# Altium PCB XXX.PcbDoc
Units mil, origin at the board's own origin, x right, y up, seen from the top; angles counter-clockwise.
Board outline 1515 x 2205 mil, 2 copper layers (Top Layer, Bottom Layer); 52 components, 56 nets, 297 pads, 104 vias.
Unrouted connection lines stored in the file: 3.
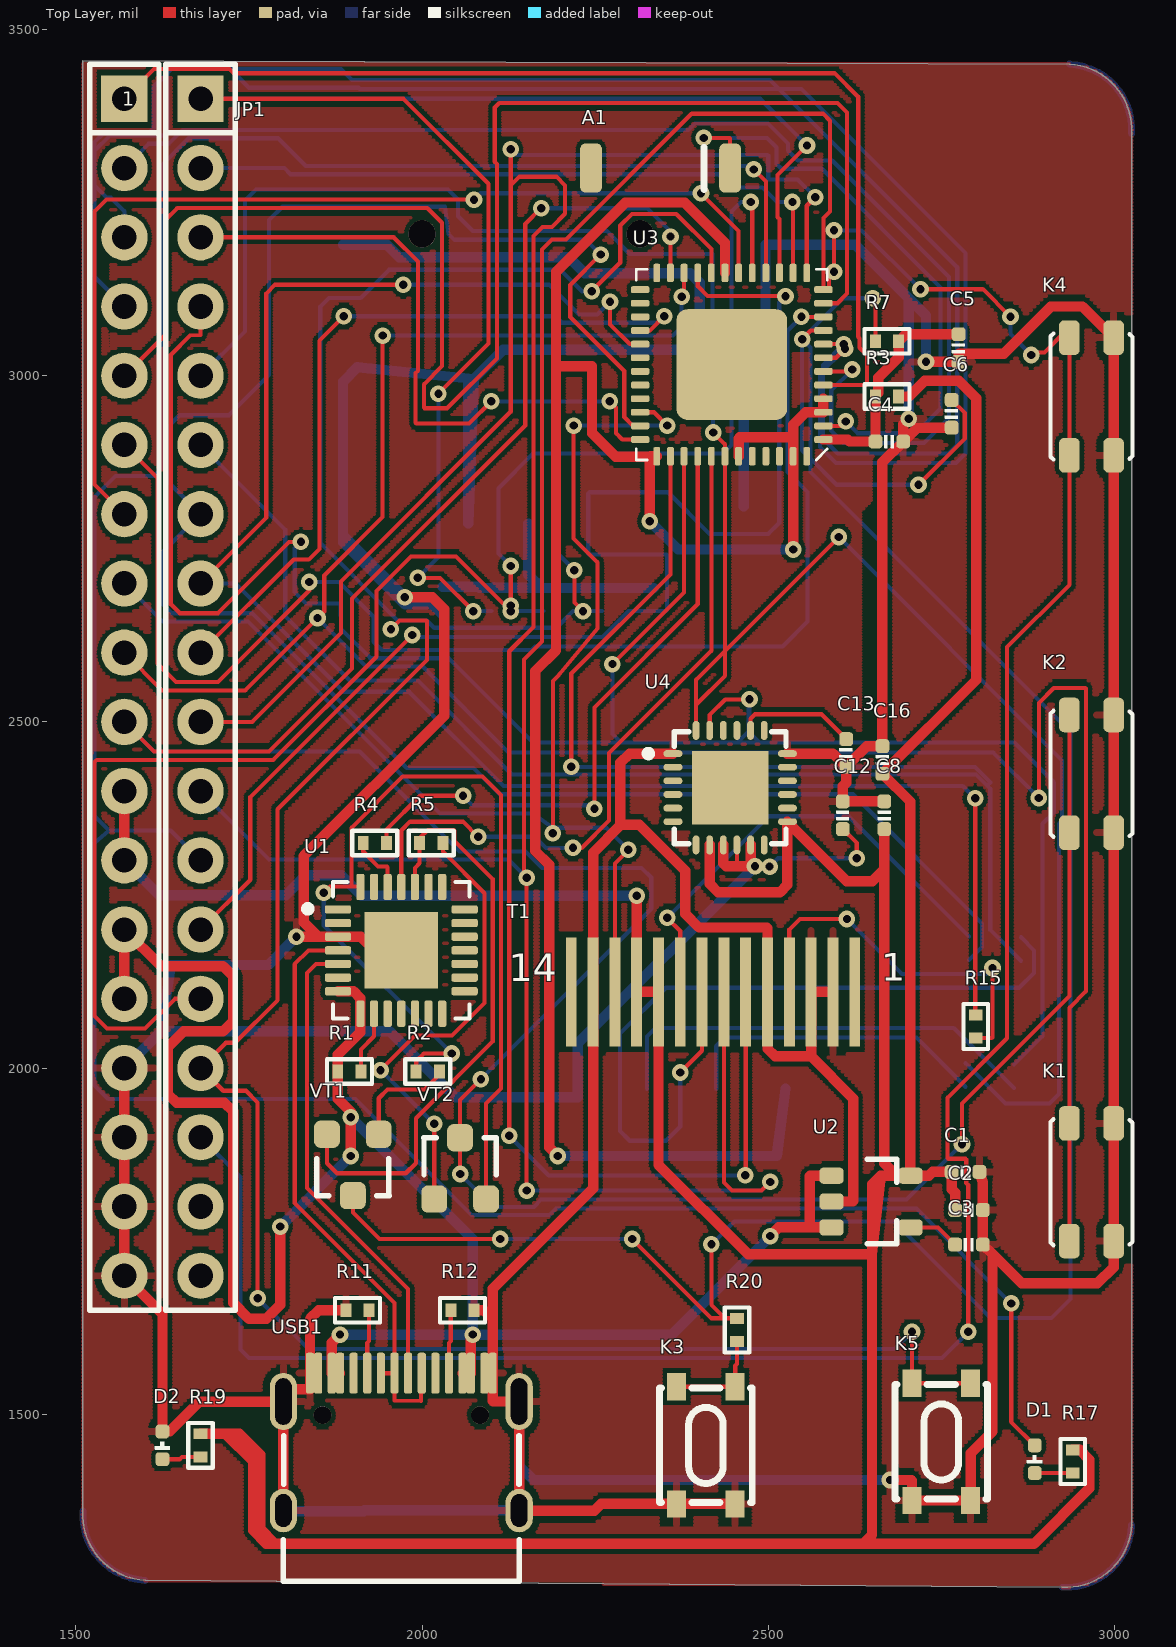
[diagram p0: Top Layer view]
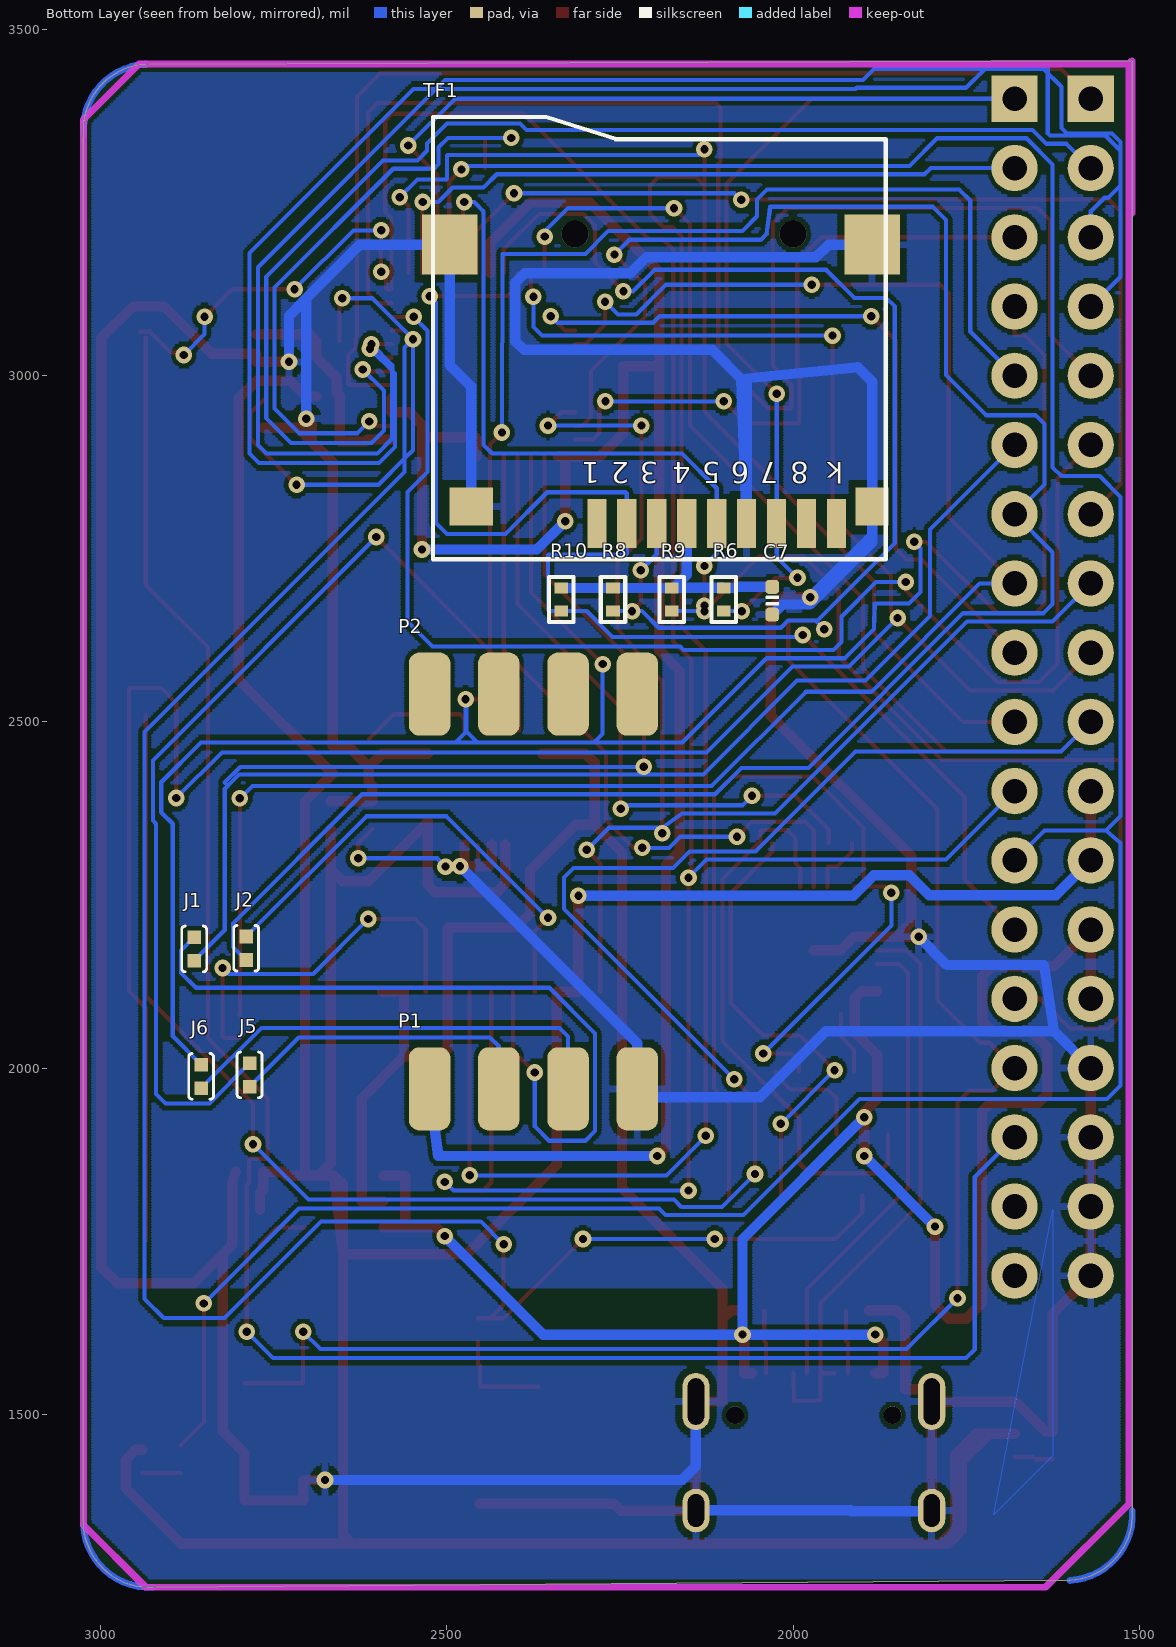
[diagram p1: Bottom Layer view, seen from below]

## Layer stack, top to bottom
Top Solder: solder mask 0.4, Solder Resist, Dk 3.5
Top Layer: signal copper 1.4
Dielectric 1: dielectric 12.6, FR-4, Dk 4.8
Bottom Layer: signal copper 1.4
Bottom Solder: solder mask 0.4, Solder Resist, Dk 3.5

## Board outline
1510,1360 ccw(c1605,1355) 1600,1260 2925,1250 ccw(c2930,1345) 3025,1340 3025,3350 ccw(c2930,3355) 2935,3450 1510,3455

## Design rules (kind name [scope] priority, off if disabled: settings)
Clearance [All] p1: gap=6 ignorepadtopadclearanceinfootprint=TRUE
PolygonConnect [All] p1: connectstyle=Relief reliefconductorwidth=10 reliefentries=4 polygonreliefangle="90 Angle" airgapwidth=10
RoutingVias [All] p1: holewidth=12 width=24 viastyle="Through Hole" minholewidth=12 minwidth=24 maxholewidth=12 maxwidth=24
SilkToSilkClearance [All] p1: silktosilkclearance=2
SolderMaskExpansion [All] p1: expansion=2.58 istentingtop=FALSE
Width PWR [InNetClass('PWR')] p1: maxlimit=20 minlimit=10 preferedwidth=15
Width ALL [All] p2: maxlimit=6 minlimit=6 preferedwidth=6
29 further rules are at their usual default settings.

## Classes and differential pairs
net class GND: GND

## Components (designator, comment, footprint, x,y, rotation, side; value= is the part's Value field where it differs from the comment)
1 "HDR-1X18" HDR2.54-LI-18P 1570,2550 r270 top
A1 "RAINSUN" ANT-Rainsun-AN5120 2345,3300 r180 top
C1 "0.1uF" CAP_0402 2785,1850 r180 top value=0.1u
C2 "10uF" CAP_0402 2790,1795 r180 top value=0.1u
C3 "10nF" CAP_0402 2790,1745 r180 top value=0.1u
C4 "10nF" CAP_0402 2675,2905 r180 top value=0.1u
C5 "0.1uF" CAP_0402 2775,3040 r90 top value=0.1u
C6 "0.1uF" CAP_0402 2765,2945 r90 top value=0.1u
C7 "100nf" CAP_0402 2030,2675 r90 bottom
C8 "10nF" CAP_0402 2667.68,2365.16 r90 top value=0.1u
C12 "0.1uF" CAP_0402 2607.68,2365.16 r90 top value=0.1u
C13 "2.2nF" CAP_0402 2612.68,2455.16 r90 top value=0.1u
C16 "0.1uF" CAP_0402 2665,2445 r270 top value=0.1u
D1 "color?" LED_0402_RED 2885,1435 r90 top
D2 "color?" LED_0402_RED 1625,1455 r90 top
J1 "跳线" 0402-0R 2865,2172 r270 bottom
J2 "跳线" 0402-0R 2790,2173 r270 bottom
J5 "跳线" 0402-0R 2785,1990 r90 bottom
J6 "跳线" 0402-0R 2855,1988 r90 bottom
JP1 "HDR-1X18" HDR2.54-LI-18P 1680,2550 r270 top
K1 "TACT 4P" ButtonTACT_3.5*3.55_90 2967,1835 r270 top value=3.4x3.5
K2 "TACT 4P" ButtonTACT_3.5*3.55_90 2967,2425 r270 top value=3.4x3.5
K3 "TACT 4P" "SW-SMD_4P-L4.2-W3.3-P2.15-LS5.1 - duplicate" 2410,1455 r90 top value=3.4x3.5
K4 "TACT 4P" ButtonTACT_3.5*3.55_90 2967,2970 r270 top value=3.4x3.5
K5 "TACT 4P" "SW-SMD_4P-L4.2-W3.3-P2.15-LS5.1 - duplicate" 2750,1460 r90 top value=3.4x3.5
P1 "MHDR1X4" 金手指4 1675,1970 r180 bottom
P2 "MHDR1X4" 金手指4 1675,2540 r180 bottom
R1 "10K" R0402_L 1895,1995 r180 top value=22R
R2 "12K" R0402_L 2008.27,1995 r180 top value=22R
R3 "0R" R0402_L 2671.73,2970 r0 top value=22R
R4 "200R" R0402_L 1931.73,2325 r0 top value=22R
R5 "12K" R0402_L 2013.27,2325 r180 top value=22R
R6 "10K" R0402_L 2100,2676.73 r90 bottom
R7 "10K" R0402_L 2671.73,3050 r0 top value=22R
R8 "10K" R0402_L 2260,2676.73 r90 bottom
R9 "10K" R0402_L 2175,2676.73 r90 bottom
R10 "10K" R0402_L 2335,2676.73 r90 bottom
R11 "5.1K" R0402_L 1906.73,1650 r180 top value=22R
R12 "5.1K" R0402_L 2058.27,1650 r0 top value=22R
R15 "10R" R0402_L 2800,2060 r90 top
R17 "1K" R0402_L 2940,1431.73 r270 top value=22R
R19 "1K" R0402_L 1680,1455 r270 top value=22R
R20 "1K" R0402_L 2455,1621.73 r90 top value=22R
T1 "TFT177PF254" TFT144PF254 1839.53,1768.8 r0 top
TF1 "TF_Card" "Micro SD" 2157.48,3205 r0 bottom
U1 "CP2102" QFN-28 1970,2170 r0 top value=Value
U2 "LP2992 3V3" SOT23-5 2650.56,1807.16 r0 top
U3 "ESP32_SIP" QFN-48_7X7 2447.38,3016.1 r180 top
U4 "MPU6050" QFN-24 2445,2405 r0 top
USB1 "Type-C" Type-C-TOP 1970,1460 r270 top
VT1 "S8050" SMT_TRIODE_NPN 1900,1860 r180 top
VT2 "S8050" SMT_TRIODE_NPN 2055,1855 r0 top

## Footprints (in the part's own frame and the unit in brackets; to place one, negate y for a bottom-side part, rotate by r counter-clockwise, add the part's x,y. Pads: shape width x height; smd on the part's side, far side on the other; paste and mask are expansions set on the pad)
0402-0R [mm]
  rect 0.5x0.5 smd: 1(-0.432,0) 2(0.432,0)
  silkscreen extent -0.84,-0.46 0.84,0.46
ANT-Rainsun-AN5120 [mm]
  rrect50% 0.8x1.8 smd: 1(-2.54,0) ""(2.563,0)
  silkscreen extent -1.57,-0.76 -1.57,0.79, body extent -2.57,-0.91 2.54,0.94, height 1.32
ButtonTACT_3.5*3.55_90 [mil]
  rrect50% 50x30 smd: 1(-85,32) 2(-85,-32) 3(85,32) 4(85,-32)
  silkscreen extent -91,-59 91,59, body extent -90,-55 91,85, height 56
CAP_0402 [mil]
  rrect50% 20x20 smd: 1(-20,0) 2(20,0)
  silkscreen extent -7,-9 7,9, body extent -20,-10 20,10, height 20
HDR2.54-LI-18P [mm] "排针，18脚"
  rect 1.7x1.7 hole 0.9: 1(-21.59,0)
  round 1.7 hole 0.9: 2(-19.05,0) 3(-16.51,0) 4(-13.97,0) 5(-11.43,0) 6(-8.89,0) 7(-6.35,0) 8(-3.81,0) 9(-1.27,0) 10(1.27,0) 11(3.81,0) 12(6.35,0) 13(8.89,0) 14(11.43,0) 15(13.97,0) 16(16.51,0) 17(19.05,0) 18(21.59,0)
  silkscreen extent -22.86,-1.27 22.86,1.27, body extent -22.86,-1.27 22.86,1.27, height 2.54
LED_0402_RED [mil]
  rrect50% 20x20 smd: 1(-20,0) 2(20,0)
  silkscreen extent -6,-10 6,10, body extent -20,-10 20,10, height 18
"Micro SD" [mm] "淘宝ID:黄晶宝石"
  round 1 hole 1 unplated: 0(-4,0) 0(4,0)
  rect 0.7x1.8 smd: 1(3.2,10.627) 2(2.1,10.627) 3(1,10.627) 4(-0.1,10.627) 5(-1.2,10.627) 6(-2.3,10.627) 7(-3.4,10.627) 8(-4.5,10.627) 9(-5.6,10.627)
  rect 2.032x2.2 smd: 10(-6.9,0.4) 10(8.6,0.4)
  rect 1.2x1.4 smd: 10(-6.9,10)
  rect 1.6x1.4 smd: 10(7.8,10)
  silkscreen extent -7.4,-4.28 9.2,11.94, body extent -7.05,-3.87 8.95,11.38, height 2
QFN-24 [mm]
  oval 0.7x0.25 smd: 1(-2.1,1.25) 2(-2.1,0.75) 3(-2.1,0.25) 4(-2.1,-0.25) 5(-2.1,-0.75) 6(-2.1,-1.25) 13(2.1,-1.25) 14(2.1,-0.75) 15(2.1,-0.25) 16(2.1,0.25) 17(2.1,0.75) 18(2.1,1.25)
  oval 0.25x0.7 smd: 7(-1.25,-2.1) 8(-0.75,-2.1) 9(-0.25,-2.1) 10(0.25,-2.1) 11(0.75,-2.1) 12(1.25,-2.1) 19(1.25,2.1) 20(0.75,2.1) 21(0.25,2.1) 22(-0.25,2.1) 23(-0.75,2.1) 24(-1.25,2.1)
  rect 2.8x2.7 smd: ""(0,0)
  silkscreen extent -3.12,-2.05 2.05,2.05, body extent -2.02,-2.02 2.02,2.02, height 0.95
QFN-28 [mil]
  rrect50% 38x12 smd mask+5: 1(-91.5,59.06) 2(-91.5,39.37) 3(-91.5,19.69) 4(-91.5,0) 5(-91.5,-19.68) 6(-91.5,-39.37) 7(-91.5,-59.06) 15(91.5,-59.06) 16(91.5,-39.37) 17(91.5,-19.68) 18(91.5,0) 19(91.5,19.69) 20(91.5,39.37) 21(91.5,59.06)
  rrect50% 12x38 smd mask+5: 8(-59.06,-91.5) 9(-39.37,-91.5) 10(-19.68,-91.5) 11(0,-91.5) 12(19.69,-91.5) 13(39.37,-91.5) 14(59.06,-91.5) 22(59.06,91.5) 23(39.37,91.5) 24(19.69,91.5) 25(0,91.5) 26(-19.68,91.5) 27(-39.37,91.5) 28(-59.06,91.5)
  rect 106.3x110.24 smd: 29(0,0)
  silkscreen extent -140,-98 98,98, body extent -98,-98 98,98, height 35
QFN-48_7X7 [mm]
  rrect50% 0.675x0.25 smd: 1(-3.363,2.75) 2(-3.363,2.25) 3(-3.363,1.75) 4(-3.363,1.25) 5(-3.363,0.75) 6(-3.363,0.25) 7(-3.363,-0.25) 8(-3.363,-0.75) 9(-3.363,-1.25) 10(-3.363,-1.75) 11(-3.363,-2.25) 12(-3.363,-2.75) 25(3.363,-2.75) 26(3.363,-2.25) 27(3.363,-1.75) 28(3.363,-1.25) 29(3.363,-0.75) 30(3.363,-0.25) 31(3.363,0.25) 32(3.363,0.75) 33(3.363,1.25) 34(3.363,1.75) 35(3.363,2.25) 36(3.363,2.75)
  rrect50% 0.25x0.675 smd: 13(-2.75,-3.362) 14(-2.25,-3.362) 15(-1.75,-3.362) 16(-1.25,-3.362) 17(-0.75,-3.362) 18(-0.25,-3.362) 19(0.25,-3.362) 20(0.75,-3.362) 21(1.25,-3.362) 22(1.75,-3.362) 23(2.25,-3.362) 24(2.75,-3.362) 37(2.75,3.363) 38(2.25,3.363) 39(1.75,3.363) 40(1.25,3.363) 41(0.75,3.363) 42(0.25,3.363) 43(-0.25,3.363) 44(-0.75,3.363) 45(-1.25,3.363) 46(-1.75,3.363) 47(-2.25,3.363) 48(-2.75,3.363)
  rrect20% 4.064x4.064 smd: 49(0,0)
  silkscreen extent -3.5,-3.5 3.5,3.5, body extent -3.5,-3.5 3.5,3.5, height 1
R0402_L [mm] "1/16W贴片电阻"
  rect 0.4x0.5 smd: 1(-0.425,0) 2(0.425,0)
  silkscreen extent -0.82,-0.45 0.83,0.45, body extent -0.5,-0.25 0.5,0.25, height 0.3
SMT_TRIODE_NPN [mm]
  rrect50% 0.95x1 smd: 1(-0.95,-1.125) 2(0.95,-1.125) 3(0,1.125)
  silkscreen extent -1.33,-0.22 1.33,1.13, body extent -1.45,-1.4 1.45,1.4, height 1.3
SOT23-5 [mm]
  rrect50% 0.889x0.6 smd: 1(-1.5,0.95) 2(-1.5,0) 3(-1.5,-0.95) 4(1.396,-0.95) 5(1.396,0.95)
  silkscreen extent -0.2,-1.55 0.9,1.55, body extent -1.48,-1.45 1.32,1.45, height 1.2
"SW-SMD_4P-L4.2-W3.3-P2.15-LS5.1 - duplicate" [mm]
  rect 1x0.7 smd: 1(-2.15,1.075) 2(2.15,1.075) 3(-2.15,-1.075) 4(2.15,-1.075)
  silkscreen extent -2.1,-1.7 2.1,1.7
TFT144PF254 [mm]
  rect 0.4x4 smd: 1(19.95,8.666) 2(19.15,8.666) 3(18.35,8.666) 4(17.55,8.666) 5(16.75,8.666) 6(15.95,8.666) 7(15.15,8.666) 8(14.35,8.666) 9(13.55,8.666) 10(12.75,8.666) 11(11.95,8.666) 12(11.15,8.666) 13(10.35,8.666) 14(9.55,8.666)
Type-C-TOP [mm]
  round 0.65 hole 0.65: 0(-0.98,2.89) 0(-0.98,-2.89)
  oval 1.6x1 hole 0.6 slot 1.2 at 0 deg: 1(2.52,4.325) 2(2.52,-4.325)
  oval 2.1x1 hole 0.6 slot 1.7 at 0 deg: 3(-1.48,-4.325) 4(-1.48,4.325)
  rrect50% 1.5x0.3 smd: A1(-2.52,-3.35) A4(-2.52,-2.55) A5(-2.52,-1.25) A6(-2.52,-0.25) A7(-2.52,0.25) A8(-2.52,1.25) A9(-2.52,2.55) A12(-2.52,3.35) B1(-2.52,3.05) B4(-2.52,2.25) B5(-2.52,1.75) B6(-2.52,0.75) B7(-2.52,-0.75) B8(-2.52,-1.75) B9(-2.52,-2.25) B12(-2.52,-3.05)
  silkscreen extent -0.22,-4.33 5.12,4.33, body extent -2.57,-4.48 5.18,4.48, height 3.26
金手指4 [mil] "金手指，4脚"
  rrect50% 60x120 smd: 1(-850,0) 2(-750,0) 3(-650,0) 4(-550,0)
  body extent -900,-50 -500,50, height 100

## Part data
1 JP1: library part "Header 18", "18P接插件", BOM名称=18P接插件, 封装库来自淘宝卖家 ID：黄晶宝石=其他店铺购入均为盗版假冒封装库, 联系卖家，免费查找封装=唯一出售店铺网址https://shop463601444.taobao.com
A1: library part ANT-Rainsun-AP5120
C1 C2 C3 C8 C12 C13 C16: library part 电容-0402, "Capacitor"
C4: library part 电容-0402_2, "Capacitor"
C5 C6: library part 电容-0402_1, "Capacitor"
C7: library part C, "Capacitor", BOM名称=无极性贴片电容, 封装库来自淘宝卖家ID：黄晶宝石=其他店铺购入均为盗版假冒封装库，请立即申请退款, 联系卖家，免费查找封装=唯一出售店铺网址https://shop463601444.taobao.com
D1 D2: library part LED_0402, "LED", Type=0402
J1 J2 J5 J6: "Resistor", LatestRevisionDate=17-Jul-2002, LatestRevisionNote="Re-released for DXP Platform.", PackageDescription="Axial Device, Thru-Hole; 2 Leads; 0.4 in Pin Spacing", PackageReference=AXIAL-0.4, Published=8-Jun-2000, Publisher="Altium Limited"
K1 K2 K3 K4 K5: library part ButtonTACT, "Button", Type="TACT 4P"
P1 P2: "Header, 4-Pin", LatestRevisionDate=17-Jul-2002, LatestRevisionNote="Re-released for DXP Platform.", Publisher="Altium Limited"
R1 R7: library part 电阻-0402_1, "Resistor"
R2 R5 R17 R19 R20: library part 电阻-0402, "Resistor"
R3: library part 电阻-0402_3, "Resistor"
R4: library part 电阻-0402_2, "Resistor"
R6 R8 R9 R10: library part R, "贴片电阻", BOM名称=贴片电阻, 封装库来自淘宝卖家ID：黄晶宝石=其他店铺购入均为盗版假冒封装库，请立即申请退款, 联系卖家，免费查找封装=唯一出售店铺网址https://shop463601444.taobao.com
R11 R12: library part 电阻-0402_7, "Resistor"
R15: library part 电阻-0402_9, "Resistor"
TF1: "TF卡座", BOM名称=TF卡座, 联系卖家，免费技术支持=唯一出售店铺网址https://shop463601444.taobao.com
U1: "USB转TTL", MFG #1="SILICON LABS", PART DESC="SINGLE-CHIP USB TO UART BRIDGE, QFN28, RoHS.", PART NUMBER=CP2102, RefDes=RefDes, Type=DEV
U2: library part LP2992, "LDO"
U3: library part ESP32-PICO
U4: "六轴传感器"
USB1: library part USB-Type-C-TOP
VT1 VT2: library part SMT_TRIODE_NPN, "Surface mount NPN transistor, package SOT-23"

## Via types
v1: diameter 24, hole 12, Top Layer to Bottom Layer, tented both sides, 104 vias

## Nets (pads, with @x,y where several pads share a name; then routed paths per layer and width w, separated by ;. In a path a pad name is that pad's centre, name@x,y a point inside that pad or via, vN(x,y) a via of type N, cw(c..) or ccw(c..) an arc to the next point about the centre after c; other vN are vias at no path point)
3V3: C7.2 R6.2 R8.2 R9.2 R10.2 TF1.4 | length 407.4
  Bottom Layer w15: C7.2 2081.93,2695 2083.47,2693.47 R6.2 2102.5,2693.47 2103.34,2694.31 2104.15,2693.5 R9.2@2166,2693.5 ; TF1.4 2153.54,2712.5 R9.2@2172.58,2693.47 ; R9.2@2166,2693.47 R9.2@2172.58,2693.47 ; R10.2 R8.2 R9.2 R9.2@2172.58,2693.47
3V3A: C4.2 C5.2 P1.1 R3.1 R7.2 U3.1 U3.3 U3.4 U3.19 U3.37 U3.43 U3.47 | length 3336.4
  Top Layer w15: v1(2196,1873) 2183.5,1885.5 2183.5,2293.5 2163.5,2313.5 2163.5,2573.5 2193.5,2603.5 2193.5,3013.66 ; v1(2329,2790) 2329,2882.72 ; U3.19 2437.54,3191.96 2379.31,3250.19 2293.69,3250.19 2193.5,3150 2193.5,3013.66 ; U3.43 2457.22,2909.22 2459,2911 2534.96,2911 2535.96,2910 ; v1(2535.96,2749) U3.47 2535.96,2910 ; U3.1 2615,2907.83 2617.83,2905 C4.2 R3.1 2655,2971.5 2659,2975.5 2659,2997 2688.47,3026.47 R7.2 2698.47,3060 C5.2 ; U3.4 U3.3 2554,2947.2 2535.96,2929.17 2535.96,2910 ; 2193.5,3013.66 2245.5,3013.66 2245.5,2917.02 2279.52,2883 2329,2882.72 ; 2329,2882.72 U3.37 2330,2883.72 2329,2882.72
  Bottom Layer w15: v1(2196,1873) 2512.5,1873 P1.1 ; v1(2329,2790) 2370,2749 v1(2535.96,2749)
CP_Rx: U1.25 U3.41 | length 1006.4
  Top Layer w6: U1.25 1970,2343 1982.84,2355.84 2059.16,2355.84 v1(2081,2334) ; v1(2218,2318) 2230.66,2318 2270,2357.34 2270,2455 2417.85,2602.85 U3.41
  Bottom Layer w6: v1(2081,2334) 2162.98,2334 2178.98,2318 v1(2218,2318)
CP_Tx: R4.2 U3.40 | length 918.9
  Top Layer w6: R4.2 1948.47,2344.33 1997.39,2393.25 v1(2059.25,2393.25) ; v1(2249,2374.5) 2249,2521 2398.17,2670.17 U3.40
  Bottom Layer w6: v1(2059.25,2393.25) 2073,2379.5 2244,2379.5 v1(2249,2374.5)
DTR: R2.2 U1.28 VT2.2 | length 1372.6
  Top Layer w6: v1(1858,2253) 1867,2262 1899,2262 ; U1.28 1910.94,2262 1899,2262 ; R2.2 1991.53,2010 2002.53,2021 v1(2043,2021) ; VT2.2 2092.4,1949 2114,1970.6 2114,2394.5 2087.5,2421 1972,2421 1898,2347 1898,2263 1899,2262
  Bottom Layer w6: v1(1858,2253) 1858,2206 v1(2043,2021)
EN: C6.2 R7.1 R20.2 U3.9 VT1.3 | length 3639
  Top Layer w6: VT1.3 1900,1791.5 1938.5,1753 v1(2113,1753) ; v1(2303.47,1753) 2418,1638.47 2437.5,1638.47 ; v1(2418,1745.26) 2418,1657.97 2437.5,1638.47 ; R20.2 2437.5,1638.47 ; v1(2549,3052.82) 2561.5,3065.32 U3.9 ; v1(2651,3112) 2655,3108 R7.1 ; v1(2717.11,2842.5) 2784,2909.39 2784,2946 C6.2
  Bottom Layer w6: v1(2113,1753) v1(2303.47,1753) ; v1(2418,1745.26) 2451,1778.26 2681.74,1778.26 2821,1639 2909,1639 2936.57,1666.57 2936.57,2485.43 2561,2861 2561,2880.38 ; v1(2651,3112) 2608.18,3112 v1(2549,3052.82) ; v1(2717.11,2842.5) 2598.88,2842.5 2561,2880.38 ; v1(2549,3052.82) 2561,3040.82 2561,2880.38 ; v1(2549,3052.82) 2549,2892.38 2561,2880.38
GND: 1.15 1.16 1.17 1.18 C1.1 C2.1 C3.1 C4.1 C5.1 C6.1 C7.1 C8.2 C12.2 C13.1 C16.1 D2.2 K1.1 K1.3 K2.1 K2.3 K3.1 K3.3 K4.1 K4.3 K5.1 K5.3 P1.4 R11.2 R12.2 T1.2 T1.3 T1.5 T1.13 TF1.6 TF1.10 U1.3 U1.29 U2.2 U4.1 U4.9 U4.11 U4.18 USB1.1 USB1.2 USB1.3 USB1.4 USB1.A1 USB1.A12 USB1.B1 USB1.B12 | length 13399.1
  Top Layer w15: 1.15 1.16 1.17 1.18 1625,1645 D2.2 1635.5,1475 1678.5,1518 USB1.3@1799.72,1518 ; USB1.2 USB1.3@1799.72,1518 ; v1(1818.5,2189.69) 1850,2189.69 ; R11.2 1850.61,1650 1838.11,1637.5 USB1.A1 1838.11,1536 1799.72,1536 USB1.3 USB1.3@1799.72,1518 ; U1.29 1931,2170 1911.31,2189.69 U1.3 1850,2189.69 ; v1(1975,2680) 2014.5,2680 2032,2662.5 2032,2508.98 1829.31,2306.3 1829.31,2210.37 1850,2189.69 ; R12.2 2089.39,1650 2101.89,1637.5 ; U4.1 2300,2454.21 2286.5,2440.71 2286.5,2350.5 ; U4.9 2435.16,2296 2439.63,2291.53 v1(2481,2291.53) 2474.53,2298 U4.11 ; K3.3 K3.1 2258.57,1370.36 2249,1360.79 USB1.1 USB1.4 2103,1518.27 2101.89,1519.38 USB1.A12 2101.89,1637.5 ; U4.18 2593.62,2454.21 C13.1 ; U2.2 2622,1807.16 2623,1808.16 2623,1955.97 2561.97,2017 2561.97,2018 ; T1.2 T1.3 2561.97,2018 ; C8.2 C12.2 2607.68,2407 2612.68,2412 C13.1 ; v1(2676,1405) 2706.68,1405 2707.68,1404 K5.1 K5.3 2792.32,1443.32 2824,1475 2824,1731 ; v1(2703,2938) 2695,2930 C4.1 ; v1(2728,3020) C5.1 2775,3031 2776,3032 2840,3032 2908,3100 2954,3100 K4.1 K4.3 K2.1 K2.3 K1.1 K1.3 2999,1712.5 2975.5,1689 2866,1689 2824,1731 ; C6.1 2715,2925 C4.1 ; C1.1 2810,1834 C2.1 C3.1 2824,1731 ; 2101.89,1637.5 2101.89,1681.16 2247.01,1826.28 T1.13 2247.01,2311.01 2286.5,2350.5 ; 2286.5,2350.5 2287.41,2351.41 2313.59,2351.41 2380,2285 2380,2223 2400,2203 2497.98,2203 2498.98,2202 T1.5 2498.98,2028.02 2510,2017 2560.97,2017 2561.97,2018 ; C13.1 2642.52,2465 C16.1 2665,2875 C4.1
  Bottom Layer w15: 1.15 1623,2053 ; USB1.2 1799.72,1360 1916,1360 1917,1361 2140.28,1361 USB1.1 ; v1(1818.5,2189.69) 1777.63,2148.82 1637.5,2148.82 1623,2053 ; TF1.10@1885.83,3189.25 1948.75,3189.25 1967,3171 2212,3171 2235,3148 2387.5,3148 2401,3134.5 2401,3050 2388.5,3037.5 2116.93,3037.5 2074.71,2995.29 ; v1(1975,2680) 1885.83,2769.17 ; C7.1 2015.5,2669.5 1975.5,2669.5 1885.83,2759.17 1885.83,2769.17 ; USB1.4 2140.28,1425 2160.28,1405 v1(2676,1405) ; TF1.10@2464.57,2811.3 2464.57,2984 2496.06,3015.5 2496.06,3189.25 2625.69,3189.25 2703,3111.95 ; v1(2481,2291.53) 2225,2035.53 P1.4 2225,1957.87 2048.13,1957.87 1953,2053 1623,2053 ; v1(2703,2938) 2703,3111.95 ; v1(2728,3020) 2728,3086.95 2703,3111.95 ; 1885.83,2769.17 1885.83,2811.3 1885.83,2991.65 1906.3,3012.12 2074.71,2995.29 ; 2074.71,2995.29 2066.93,2987.5 TF1.6 2074.71,2995.29
GPIO0: 1.10 K2.2 K2.4 U3.23 VT2.3 | length 4297.9
  Top Layer w6: 1.10 1613,2457 1778.84,2457 1899,2577.16 1899,2678 2149,2928 2149,3219 v1(2172,3242) ; v1(2055,1847) VT2.3 2055,1954 v1(2085,1984) ; U3.23 v1(2358.8,3201) ; v1(2780,1890) 2780,1949 2935,2104 K2.4 2935,2425 K2.2
  Bottom Layer w6: 1.10 1613,2457 1909.97,2457 2053.97,2313 2149.38,2313 2173.38,2289 2317,2289 2331,2275 2331,2230 v1(2085,1984) ; v1(2055,1847) 2102.5,1799.5 2161.5,1799.5 2172,1810 2700,1810 v1(2780,1890) ; v1(2172,3242) 2325,3242 2358.8,3208.2 v1(2358.8,3201)
GPIO2: 1.9 K1.2 K1.4 U3.22 | length 3480.8
  Top Layer w6: 1.9 1624.47,2545.53 1744.53,2545.53 v1(1849,2650) 1858.67,2659.67 1858.67,2711.67 1943,2796 v1(1943,3058) ; v1(2375,3114) 2378.48,3117.48 U3.22 ; v1(2891,2390) 2891,2527.5 2912.5,2549 2958,2549 2959,2548 2959,2111 2935,2087 K1.2 K1.4
  Bottom Layer w6: v1(1849,2650) 1919,2580 2001,2580 2125,2456 2825,2456 v1(2891,2390) ; v1(1943,3058) 2362.5,3058 2375,3070.5 v1(2375,3114)
GPIO4: JP1.16 U3.24 | length 2938.7
  Top Layer w6: v1(2789,1619) 2789,1831 2786,1834 2786,1868 2785,1869 2760,1869 2759,1870 2759,1957 2845,2043 2845,2608 2935,2698 2935,2885 2935,3055
  Bottom Layer w6: JP1.16 1737.5,1842.5 1737.5,1593.5 1750,1581 2751,1581 v1(2789,1619)
GPIO5: 1.8 T1.12 U3.34 | length 1950.8
  Top Layer w6: v1(2189,2339) 2189,2559.13 2197.87,2568 2253.5,2635.08 2253.5,2730.5 2219,2765 v1(2219,2928) ; T1.12 2278.5,2295.66 v1(2298,2315.15) ; U3.34 2334.8,2947.2 v1(2354,2928)
  Bottom Layer w6: 1.8 1625,2645 1748.45,2645 2025.95,2367.5 2160.5,2367.5 ; v1(2189,2339) v1@2189,2347 ; v1(2219,2928) v1(2354,2928) ; v1(2298,2315.15) 2266.15,2347 v1@2189,2347 ; 2160.5,2367.5 v1@2189,2347 ; 2160.5,2367.5 v1@2189,2347
GPIO9: JP1.9 U3.28 | length 1098.6
  Top Layer w6: JP1.9 1814.65,2734.65 1836.4,2734.65 1851.64,2749.89 1851.64,3050.64 v1(1887,3086) ; U3.28 2329.13,3065.32 v1(2349.82,3086)
  Bottom Layer w6: v1(1887,3086) 2192.5,3086 2202,3076.5 2340.32,3076.5 v1(2349.82,3086)
GPIO10: JP1.8 R15.2 U3.29 | length 2635.1
  Top Layer w6: JP1.8 1775,2795 1775,3119 1787.5,3131.5 v1(1973,3131.5) ; v1(2271.5,3107) 2271.5,3074.13 2300,3045.63 U3.29 ; v1(2799,2389.5) 2799,2076.73 R15.2
  Bottom Layer w6: JP1.8 1730.4,2700 1886.93,2543.47 1981.53,2543.47 2117.5,2407.5 2781,2407.5 v1(2799,2389.5) ; v1(1973,3131.5) 2183.5,3131.5 2226.5,3088.5 2253,3088.5 v1(2271.5,3107)
GPIO12: 1.7 U3.18 | length 1479.9
  Top Layer w6: 1.7 1527,2843 1527,3237.5 1543.97,3254.47 2074.53,3254.47 v1(2075,3254) ; v1(2403,3263.5) 2457.22,3209.28 U3.18
  Bottom Layer w6: v1(2075,3254) 2084.5,3263.5 v1(2403,3263.5)
GPIO13: JP1.15 K5.2 K5.4 R8.1 TF1.3 U3.20 | length 4077.7
  Top Layer w6: v1(1762.5,1667.5) 1762.5,1950.44 1745.76,1967.18 1712.82,1967.18 JP1.15 1716.53,2036.53 1730,2036.53 1791.29,2097.82 1791.29,2373.75 2007,2589.46 2007,2645.5 2006,2646.5 1967.5,2646.5 v1(1955,2634) ; v1(2220,2719) 2220,2672.5 v1(2232.5,2660) ; v1(2245,3122) 2286.27,3163.27 2286.27,3216.88 2303.08,3233.69 2367.11,3233.69 2417.85,3182.95 U3.20 ; v1(2707.68,1619) K5.2 K5.4
  Bottom Layer w6: v1(1762.5,1667.5) 1836,1594 2682.68,1594 v1(2707.68,1619) ; v1(1955,2634) 1966.14,2645.14 ; TF1.3 2196.85,2742.15 v1(2220,2719) ; v1(2245,3122) 2231,3122 2200,3153 1952,3153 1911.5,3112.5 1865.5,3112.5 1853,3100 1853,2758.27 1966.14,2645.14 ; R8.1 v1(2232.5,2660) 2218,2660 2194,2636 2017.5,2636 2007,2646.5 1967.5,2646.5 1966.14,2645.14
GPIO14: JP1.14 R9.1 TF1.5 U3.17 | length 2429.9
  Top Layer w6: JP1.14 1643,2100 1600,2057 1545,2057 1527,2075 1527,2442 1530,2445 1784.97,2445 1934,2594.03 1934,2689 1984,2739 2049,2739 v1(2128,2660) ; v1(2128,2668) v1(2128,2725.24) ; v1(2475,3251) 2476.91,3249.09 U3.17
  Bottom Layer w6: v1(2128,2660) v1@2136,2660 ; v1(2128,2668) v1@2136,2660 ; v1(2128,2725.24) 2110.24,2743 TF1.5 2110.24,2837.5 2160.24,2887.5 2434.5,2887.5 2447,2900 2447,3237.5 2460.5,3251 v1(2475,3251) ; R9.1 v1@2136,2660
GPIO15: JP1.13 R10.1 TF1.2 U3.21 | length 2009.8
  Top Layer w6: JP1.13 1751.92,2271.92 1751.92,2391.42 v1(1986,2625.5) ; U3.21 2398.17,3129.33 2412.5,3115 v1(2525,3115)
  Bottom Layer w6: v1(1986,2625.5) 1988.92,2622.58 2260.58,2622.58 2298,2660 R10.1 2352,2660 2354,2662 2354,2741 2353,2742 2241.16,2742 2240.16,2743 TF1.2 2240.16,2830 2241.9,2831.74 2355.02,2831.74 2415.26,2771.5 2500,2771.5 2516,2787.5 2516,3106 v1(2525,3115)
GPIO18: J2.2 JP1.7 U3.35 | length 2978.7
  Top Layer w6: v1(2258,3175) 2214,3131 2214,3084.82 2292,3006.82 2292,2940.23 2304.71,2927.52 U3.35
  Bottom Layer w6: v1(2258,3175) 2236.63,3196.37 2046.7,3196.37 2038.08,3204.98 2033,3244 1798,3244 1779,3225 1779,3001 1721,2943 1650,2943 1637,2930 1637,2843 JP1.7 1625,2745 1625,2670 1638,2657 1754.44,2657 1977.85,2433.59 2074.41,2433.59 2112.5,2395.5 2622.34,2395.5 2808.84,2209 2808.84,2174.84 J2.2
GPIO19: J1.2 JP1.6 U3.38 | length 2815.7
  Top Layer w6: v1(2215.5,2435) 2215.5,2569.81 2358.8,2713.11 U3.38
  Bottom Layer w6: JP1.6 1802.31,2777.69 1802.31,2653 1895.61,2559.71 1994.04,2559.71 2129.59,2424.16 2800,2424.16 2816.33,2407.83 ; v1(2215.5,2435) 2798.5,2435 2821,2412.5 2816.33,2407.83 ; J1.2 2820.84,2199.16 2820.84,2403.31 2816.33,2407.83
GPIO21: J5.2 JP1.5 U3.42 U4.24 | length 3159.3
  Top Layer w6: U4.24 2395.79,2524.79 ; v1(2420.5,2918) 2437.54,2900.96 U3.42 2437.54,2602.54 ; v1(2602,2767) 2437.54,2602.54 ; 2395.79,2524.79 2395.79,2560.79 2437.54,2602.54 ; 2395.79,2524.79 2437.54,2566.54 2437.54,2602.54
  Bottom Layer w6: JP1.5 1744,3064 1744,3253 1760,3269 2037.5,3269 2051.88,3254.62 2051.88,3230.33 2073.2,3209 2267,3209 2300,3176 2419.5,3176 v1(2420.5,2918) ; v1(2602,2767) 2924.57,2444.43 2924.57,2357.39 2920,2352.82 2920,1962.5 2906.5,1949 2843,1949 J5.2
GPIO22: J6.2 JP1.4 U3.39 U4.23 | length 3119.6
  Top Layer w6: JP1.4 1680,3059 1665,3058 1637,3030 1637,2670 1650,2657 1705,2657 1808,2760 v1(1825,2760) ; v1(2275,2583.52) 2378.48,2687 U3.39 ; U4.23 2415.47,2510 2437.97,2532.5 v1(2473,2532.5)
  Bottom Layer w6: v1(1825,2760) 1816,2751 1816,2687.5 1832.5,2671 1882.01,2671 1883.01,2634.23 1925.23,2592 2038,2592 2160,2470 2287.5,2470 ; v1(2275,2583.52) 2275,2482.5 2287.5,2470 ; J6.2 2896,2046 2896,2352.82 2912.57,2369.39 2912.57,2412.8 2855.37,2470 2487.5,2470 ; 2287.5,2470 2455.5,2470 ; 2455.5,2470 2487.5,2470 ; 2455.5,2470 2471.5,2486 2471.5,2531 v1(2473,2532.5) 2473,2484.5 2487.5,2470
GPIO23: JP1.3 U3.36 | length 945.5
  Top Layer w6: JP1.3 1959,3200 1994,3165 1994,3007.12 1990.62,3003.74 1990.62,2932 1991.62,2931 2068,2931 v1(2100,2963) ; v1(2271,2963) 2280,2954 2280,2917 2289.17,2907.83 U3.36
  Bottom Layer w6: v1(2100,2963) v1(2271,2963)
GPIO25: JP1.2 U3.14 | length 978.2
  Top Layer w6: v1(2535,3251) 2535.96,3250.04 U3.14
  Bottom Layer w6: JP1.2 1801,3300 1810,3291 2428,3291 2447,3272 2491.5,3272 2512.5,3251 v1(2535,3251)
GPIO26: JP1.1 R6.1 TF1.7 U3.15 | length 2311.4
  Top Layer w6: JP1.1 1973.26,3400 2096,3277.26 2096,3046.5 v1(2023.62,2974.12) ; v1(1993.62,2708.04) 2025.96,2708.04 v1(2074,2660) ; U3.15 2516.28,3226.25 2513.65,3228.88 2513.65,3290.15 v1(2556,3332.5)
  Bottom Layer w6: JP1.1 2488.5,3400 v1(2556,3332.5) ; v1(1993.62,2708.04) 2023.62,2738.04 TF1.7 v1(2023.62,2974.12) ; v1(2074,2660) R6.1
GPIO27: D1.2 JP1.12 U3.16 | length 4297.9
  Top Layer w6: v1(2479,3298) 2496.59,3280.41 U3.16 ; v1(2851,1660) 2851,1489 D1.2
  Bottom Layer w6: JP1.12 1637,2343 1548,2343 ; v1(2479,3298) 2474,3303 1832,3303 1792,3343 1662.94,3343 1625,3305.06 1625,2867.5 1612.5,2855 1557,2855 1527,2825 1527,2364 1548,2343 ; v1(2851,1660) 2714,1797 2193.5,1797 2184,1787.5 2071.5,1787.5 1903.72,1955.28 1546.72,1955.28 1527,1975 1527,2325 1548,2343
GPIO32: JP1.11 K4.2 K4.4 T1.7 U3.12 | length 3895
  Top Layer w6: v1@2147,2279 2147,2590 2173,2616 2173,3182.5 2187.5,3197 2208,3197 2389.5,3378.5 2579,3378.5 2589.15,3368.35 2589.15,3237 2580,3227.85 U3.12@2580,3124.37 ; v1(2151,1823) v1(2151,2275) ; T1.7 2435.98,1834.5 2447.48,1823 2490.5,1823 v1(2503,1835.5) ; U3.12 U3.12@2580,3124.37 ; v1(2595,3210) v1(2595,3150) 2587.59,3142.59 2587.59,3126.29 2585.67,3124.37 U3.12@2580,3124.37 ; v1(2720,3125) 2810,3125 v1(2850,3085) ; v1(2880,3030) 2883.44,3033.44 2898.87,3033.44 2928.91,3063.49 K4.2@2943.49,3063.49
  Bottom Layer w6: JP1.11 1779,2301 2125,2301 v1(2151,2275) ; v1(2151,1823) 2490.5,1823 v1(2503,1835.5) ; v1(2595,3210) 2635,3210 v1(2720,3125) ; v1(2850,3085) 2850,3060 v1(2880,3030)
GPIO33: JP1.10 T1.6 U3.13 | length 3792.3
  Top Layer w6: JP1.10 1754.62,2500 1883.01,2628.39 1883.01,2703.01 2128,2948 2128,3275 ; v1(2126,1902) 2126,2602 2161,2637 2161,3202.03 2173.97,3215 2187.5,3215 2206.51,3234.01 2206.51,3275 2194.01,3287.5 2140.5,3287.5 2128,3275 ; v1(2128,3327) 2128,3275 ; v1(2467,1845) 2467.48,1845.48 T1.6 ; U3.13 2555.65,3245.5 v1(2568.15,3258)
  Bottom Layer w6: v1(2126,1902) 2183,1845 v1(2467,1845) ; v1(2128,3327) 2136,3319 2499,3319 2500,3318 2500,3284.5 2500.94,3283.56 2542.59,3283.56 v1(2568.15,3258)
GPIO34: 1.6 U3.10 | length 1923.9
  Top Layer w6: 1.6 1618,2852 1618,2584 1644.47,2557.53 1705,2557.53 1837,2689.53 v1(1837,2702.03) ; v1(2548,3085) U3.10
  Bottom Layer w6: v1(1837,2702.03) 1879.96,2702.03 1930.08,2651.91 1930.08,2615.69 1941.77,2604 2158,2604 2163,2609 2521,2609 2557,2645 2557,2832 2528,2861 2528,3065 v1(2548,3085)
GPIO35: 1.5 U3.11 | length 2261.7
  Top Layer w6: 1.5 1629,3059 1629,3225 1646.47,3242.47 2007.53,3242.47 2029,3221 2029,3014 2002.62,2987.62 2002.62,2954 2003.62,2953 2036,2953 2108,3025 2108,3306 2105,3309 2105,3387.5 2111.5,3394 2600,3394 2614,3380 2614,3118.69 2600,3104.69 U3.11
GPIO37: 1.2 U3.6 | length 1855.3
  Top Layer w6: U3.6 2618.76,3006.26 v1(2621.5,3009)
  Bottom Layer w6: 1.2 1605,3335 1634,3335 1654,3355 2385,3355 2394.5,3364.5 2499.81,3364.5 2528.63,3335.68 2528.63,3325 2542.63,3311 2592.5,3311 2761,3142.49 2761,2939 2725,2903 2609,2903 2591,2921 2591,2978.5 v1(2621.5,3009)
GPIO38: 1.3 U3.7 | length 2325.8
  Top Layer w6: U3.7 2597.94,3025.94 v1(2611,3039)
  Bottom Layer w6: 1.3 1570,3237.5 1550.5,3257 1545,3257 1527,3275 1527,3325 1549,3347 1629.03,3347 1632,3349.97 1632,3443 1723,3443 1750,3416 1908,3416 1910,3414 2548,3414 2785,3177 2785,2887.5 2771.5,2874 2598,2874 2575,2897 2575,3003 v1(2611,3039)
LEDA: R15.1 T1.4 | length 550.9
  Top Layer w6: T1.4 2530.47,2200 2545.78,2215.31 v1(2613.69,2215.31) ; R15.1 2823,2043.27 2824,2044.27 v1(2824,2144.5)
  Bottom Layer w6: v1(2613.69,2215.31) 2693,2136 2815.5,2136 v1(2824,2144.5)
MAX_SCL: J6.1 P1.3 | length 646.7
  Bottom Layer w6: P1.3 2325,2045.5 2337.5,2058 2768,2058 J6.1
MAX_SDA: J5.1 P1.2 | length 456.1
  Bottom Layer w6: P1.2 2425,2031.5 2437.5,2044 2714,2044 J5.1
NetA1_1: A1.1 U3.2 | length 895.1
  Top Layer w6: v1(2407,3343.5) 2444,3343.5 2445,3342.5 A1.1 ; U3.2 2605.52,2927.52 v1(2612,2934)
  Bottom Layer w6: v1(2407,3343.5) 2498.5,3343.5 2512,3330 2512,3306 2519,3299 2577.52,3299 2749,3127.52 2749,2952.5 2713.5,2917 2629,2917 v1(2612,2934)
NetC3_2: C3.2 U2.4 | length 74.8
  Top Layer w6: U2.4 2745.24,1769.76 C3.2
NetC12_1: C12.1 U4.10 | length 260
  Top Layer w6: U4.10 2454.84,2291 v1(2502,2291) ; C12.1 2628,2324.84 v1(2628,2303)
  Bottom Layer w6: v1(2502,2291) 2514,2303 v1(2628,2303)
NetC13_2: C13.2 U4.20 | length 172.5
  Top Layer w6: U4.20 2474.53,2504.53 2481,2511 2576.84,2511 C13.2
NetD1_1: D1.1 R17.2 | length 55
  Top Layer w6: D1.1 R17.2
NetD2_1: D2.1 R19.2 | length 56.4
  Top Layer w6: D2.1 1650,1435 1653.27,1438.27 R19.2
NetK3_2: K3.2 K3.4 R20.1 | length 151.1
  Top Layer w6: K3.2 K3.4 2452.32,1570 2455,1572.68 R20.1
NetR1_1: R1.1 U1.9 | length 91.3
  Top Layer w6: R1.1 1911.73,2027 1930.63,2045.9 U1.9
NetR2_1: R2.1 VT1.1 | length 158.3
  Top Layer w6: VT1.1 1937.4,1956.4 1950,1969 2003.5,1969 2025,1990.5 R2.1
NetR4_1: R4.1 U1.26 | length 85.6
  Top Layer w6: R4.1 1915,2312.5 1936.5,2291 1949.32,2291 1950.32,2290 U1.26
NetR5_1: R5.1 VT2.1 | length 664.5
  Top Layer w6: v1(1940,1997) 1990,2047 2043,2047 2090,2094 2090,2252.5 2030,2312.5 R5.1 ; VT2.1 v1(2017.6,1919.4)
  Bottom Layer w6: v1(1940,1997) v1(2017.6,1919.4)
NetR11_1: R11.1 USB1.A5 | length 91.9
  Top Layer w6: USB1.A5 1920.79,1603 1923.47,1605.68 R11.1
NetR12_1: R12.1 USB1.B5 | length 91.9
  Top Layer w6: USB1.B5 2038.9,1603 2041.53,1605.64 R12.1
RTS: R5.2 U1.24 VT1.2 | length 860.4
  Top Layer w6: VT1.2 1862.6,1862.5 1877.1,1848 1976.5,1848 1991,1862.5 1991,1927.5 2102,2038.5 2102,2273 2047,2328 2047,2342.84 2046,2343.84 2008.38,2343.84 1996.53,2332 R5.2 1996.53,2295.85 1989.69,2289 U1.24
SENSOR_VN: 1.4 U3.8 | length 2341.5
  Top Layer w6: U3.8 v1(2609,3045.63)
  Bottom Layer w6: 1.4 1527,3143 1527,3337.5 1539.5,3350 1604.47,3350 1612.47,3358 1612.47,3417.47 1638,3443 1883,3443 1899,3427 2502.66,3427 2773,3156.66 2773,2900 2760.5,2887.5 2600.5,2887.5 2579,2909 2579,3015.63 v1(2609,3045.63)
SENSOR_VP: 1.1 U3.5 | length 1577.9
  Top Layer w6: 1.1 1613,3443 1722,3443 1728,3437 2596,3437 2630,3403 2630,3056.21 2632.05,3054.16 2632.05,3040.45 2642.5,3030 2642.5,2988 2641.07,2986.57 U3.5
"TFT SCK": J2.1 T1.9 | length 683.5
  Top Layer w6: v1(2354,2216.99) 2372.99,2198 T1.9
  Bottom Layer w6: v1(2354,2216.99) 2500.64,2363.63 2616.37,2363.63 J2.1
"TFT SDA": J1.1 T1.8 | length 1143.4
  Top Layer w6: v1(2373,1993.51) 2404.49,2025 T1.8
  Bottom Layer w6: v1(2373,1993.51) 2373,1915.5 2352.5,1895 2300,1895 2286,1909 2286,2050 2352,2116 2862.5,2116 2884,2137.5 2884,2170 J1.1
USB-PWR-DM: U1.5 USB1.A7 | length 688.5
  Top Layer w6: U1.5 1846.82,2150.32 1834,2137.5 1834,1826.84 1979.84,1681 USB1.A7
USB-PWR-DP: U1.4 USB1.A6 USB1.B6 USB1.B7 | length 858.8
  Top Layer w6: U1.4 1836,2170 1816,2150 1816,1805 1960.16,1660.84 USB1.A6 ; USB1.B7 USB1.A6 ; USB1.B6 1998.53,1519 1960.16,1520 USB1.A6
VBUS: 1.13 1.14 R1.2 U1.7 U1.8 U2.1 U2.3 USB1.A4 USB1.A9 USB1.B4 USB1.B9 | length 2945.1
  Top Layer w15: 1.14 1.13 1623,2147 1712.5,2147 1726.97,2132.53 1726.97,2067.5 1712.5,2053.03 1656.03,2053.03 1633,2030 1633,1962.5 1645.5,1950 1714.5,1950 1727,1937.5 1727,1661 1750,1638 1775,1638 1795,1658 v1(1795,1771) ; U1.7 1901,2110.94 1910.94,2101 U1.8 1910.94,2051.68 1878.27,2019 R1.2 1878.27,1955.73 1897,1937 v1(1897,1929) v1(1897,1873) ; USB1.B9 USB1.A4 1869.61,1603.19 v1(1881.42,1615) ; USB1.B4 USB1.A9 2070.39,1612.39 v1(2073,1615) ; v1(2503,1757.26) 2515.5,1769.76 2561,1769.76 ; U2.3 2561,1769.76 ; U2.1 2561,1844.56 2560,1843.56 2560,1770.76 2561,1769.76
  Bottom Layer w15: v1(1795,1771) v1(1897,1873) ; v1(1881.42,1615) v1(2073,1615) ; v1(1897,1929) 2073,1753 v1(2073,1615) ; v1(2503,1757.26) 2360.74,1615 v1(2073,1615)
VCC_3V3: 1.11 1.12 C1.2 C2.2 C8.1 C16.2 R3.2 R17.1 R19.1 T1.10 T1.11 U2.5 U4.8 U4.13 | length 6485.6
  Top Layer w15: 1.12 1.11 ; R19.1 1716,1471.73 ; v1(2310,2249) T1.11 T1.10 2341.5,1860.5 2471,1731 2650,1731 ; U4.8 2415.47,2266 2427.47,2254 2517.09,2254 2527.68,2264.59 U4.13 2613.47,2270 2650.18,2270 2667.68,2287.5 ; C8.1 2667.68,2287.5 ; R3.2 2703,2970 2726,2993 2775,2993 2800.5,2967.5 2800.5,2560.5 C16.2 2705,2385 U2.5@2705,1844.56 ; C2.2 2770,1820 2765,1825 C1.2 2737.44,1850 2732,1844.56 U2.5 U2.5@2705,1844.56 ; R17.1 2950,1448.47 2964,1434.47 2964,1393 2884,1313 2637.5,1313 ; 1716,1471.73 1736,1471.73 1766,1441.73 1766,1334.5 1787.5,1313 ; 1716,1471.73 1756,1431.73 1756,1332 1775,1313 1787.5,1313 ; 1787.5,1313 2637.5,1313 ; 2637.5,1313 2650,1325.5 2650,1731 ; 2650,1731 2650,1832.06 2662.5,1844.56 ; 2650,1731 2662.5,1844.56 ; 2662.5,1844.56 2685.62,1844.56 ; 2667.68,2287.5 2667.68,1862.5 2685.62,1844.56 ; 2685.62,1844.56 U2.5@2705,1844.56
  Bottom Layer w15: 1.12 1620.5,2249.5 1803.01,2249.5 1832.07,2278.56 1883.5,2278.56 1913.06,2249 v1(2310,2249)
pads on no net: A1. JP1.17 JP1.18 P2.1 P2.2 P2.3 P2.4 T1.1 T1.14 TF1.0 TF1.1 TF1.8 TF1.9 U1.1 U1.2 U1.6 U1.10 U1.11 U1.12 U1.13 U1.14 U1.15 U1.16 U1.17 U1.18 U1.19 U1.20 U1.21 U1.22 U1.23 U1.27 U3.25 U3.26 U3.27 U3.30 U3.31 U3.32 U3.33 U3.44 U3.45 U3.46 U3.48 U3.49 U4. U4.2 U4.3 U4.4 U4.5 U4.6 U4.7 U4.12 U4.14 U4.15 U4.16 U4.17 U4.19 U4.21 U4.22 USB1.0 USB1.A8 USB1.B8
copper on no net: | length 448.3
  Bottom Layer w10: 1510,1360 ccw(c1605,1355) 1600,1260 ; 2925,1250 ccw(c2930,1345) 3025,1340 ; 2935,3450 cw(c2930,3355) 3025,3350

## Polygon pours and split planes (outlines as drawn)
GND on Bottom Layer "GND_L02_P015" (hatched Horizontal grid 4 track 5, remove dead copper, pour order 15): 1505,3445 1528.5,3421.5 1528.5,1680.24 2991.74,1680.24 3011.5,1700 2959.91,1751.59 2959.91,3416
no net on Bottom Layer "NONET_L02_P014" (hatched Horizontal grid 4 track 5, remove dead copper, pour order 14): 1512.5,3452.5 1512.5,2942.5 1545,2910
GND on Bottom Layer "GND_L02_P003" (hatched Horizontal grid 4 track 5, remove dead copper, pour order 3): 1515,1255 3020,1255 3025,1250 3025,3450 1515,3450
no net on Bottom Layer "NONET_L02_P016" (hatched Horizontal grid 4 track 5, remove dead copper, pour order 16): 1625,1795 1625,1440 1710,1355
no net on Bottom Layer "NONET_L02_P004" (hatched Horizontal grid 4 track 5, remove dead copper, pour order 4): 2150,2960
no net on Bottom Layer "NONET_L02_P002" (hatched Horizontal grid 4 track 5, remove dead copper, pour order 2): 2495,2690 2580,2605 2620,2645 2620,2735 2520,2735 2490,2705
no net on Bottom Layer "NONET_L02_P001" (hatched Horizontal grid 4 track 5, remove dead copper, pour order 1): 2520,2705
GND on Bottom Layer "GND_L02_P000" (hatched Horizontal grid 4 track 5, remove dead copper, pour order 0): 1845,3010 1825,3030 1825,3370 2845,3370 2850,3365 2840,3355 2840,2410 1960,2410 1845,2295 1845,3015 1840,3020
no net on Top Layer "NONET_L01_P026" (hatched Horizontal grid 4 track 5, remove dead copper, pour order 26): 1527.54,3440 2650,3440 2650,3030 2755,2925 2633.5,2803.5 2633.5,1635 1590,1635 1535,1690 1550,1705 1550,3275
no net on Top Layer "NONET_L01_P025" (hatched Horizontal grid 4 track 5, remove dead copper, pour order 25): 1532.53,3260 1532.53,2367.47 1595,2305
GND on Top Layer "GND_L01_P024" (hatched Horizontal grid 5 track 6, remove dead copper, pour order 24): 1510,1360 ccw(c1605,1355) 1600,1260 2925,1250 ccw(c2930,1345) 3025,1340 3025,3350 ccw(c2930,3355) 2935,3450 1510,3455
no net on Top Layer "NONET_L01_P022" (hatched Horizontal grid 4 track 5, remove dead copper, pour order 22): 2240,2855
no net on Top Layer "NONET_L01_P021" (hatched Horizontal grid 4 track 5, remove dead copper, pour order 21): 2240,2855
no net on Top Layer "NONET_L01_P010" (hatched Horizontal grid 4 track 5, remove dead copper, pour order 10): 1805,2850
no net on Top Layer "NONET_L01_P009" (hatched Horizontal grid 4 track 5, remove dead copper, pour order 9): 1760,2865
GND on Top Layer "GND_L01_P007" (hatched Horizontal grid 4 track 5, remove dead copper, pour order 7): 2170,3010
no net on Top Layer "NONET_L01_P006" (hatched Horizontal grid 4 track 5, remove dead copper, pour order 6): 2070,3110
no net on Mechanical 1 "NONET_L-01_P-001" (none, remove dead copper): 1510,1360 ccw(c1605,1355) 1600,1260 2925,1250 ccw(c2930,1345) 3025,1340 3025,3350 ccw(c2930,3355) 2935,3450 1510,3455

## Keep-outs
Bottom Layer:
  lines w10: 1510,3235 1510,3455 1515,3450 ; 1515,3450 2945,3450 3025,3370 3025,1340 2935,1250 1635,1250 1515,1370 1515,3450

## Silkscreen, mask and mechanical layers (free items; w line width, h text height)
Mechanical 1:
  lines w10: 1510,1360 1510,3455 2935,3450 ; 1600,1260 2925,1250 ; 3025,1340 3025,3350

## Dimensions
2935,3450 to 2925,1250 on Mechanical 1
1510,1360 to 3025,1340 on Mechanical 1

## Text inside footprints (layer, text, board x,y; h text height)
T1: Top Overlay "1" at 2663.23,2126.2 h40; Top Overlay "14" at 2125.33,2125.6 h40
TF1: Bottom Overlay "k" at 1927.48,2875 h30 r180; Bottom Overlay "8" at 1977.46,2875 h30 r180; Bottom Overlay "7" at 2021.46,2875 h30 r180; Bottom Overlay "6" at 2063.46,2875 h30 r180; Bottom Overlay "5" at 2105.46,2875 h30 r180; Bottom Overlay "4" at 2147.46,2875 h30 r180; Bottom Overlay "3" at 2194.46,2875 h30 r180; Bottom Overlay "2" at 2236.46,2875 h30 r180; Bottom Overlay "1" at 2279.46,2875 h30 r180